# Altium PCB MSE-PCB-N1.PcbDoc (part 2 of 2)
Units mil, origin at the board's own origin, x right, y up, seen from the top; angles counter-clockwise.
Board outline 2086.61 x 3937.01 mil, 4 copper layers (Top Layer 1, Layer 2, Layer 3, Bottom Layer 4), stack 62.449 mil thick; 133 components, 118 nets, 385 pads, 141 vias.
Unrouted connection lines stored in the file: 63.
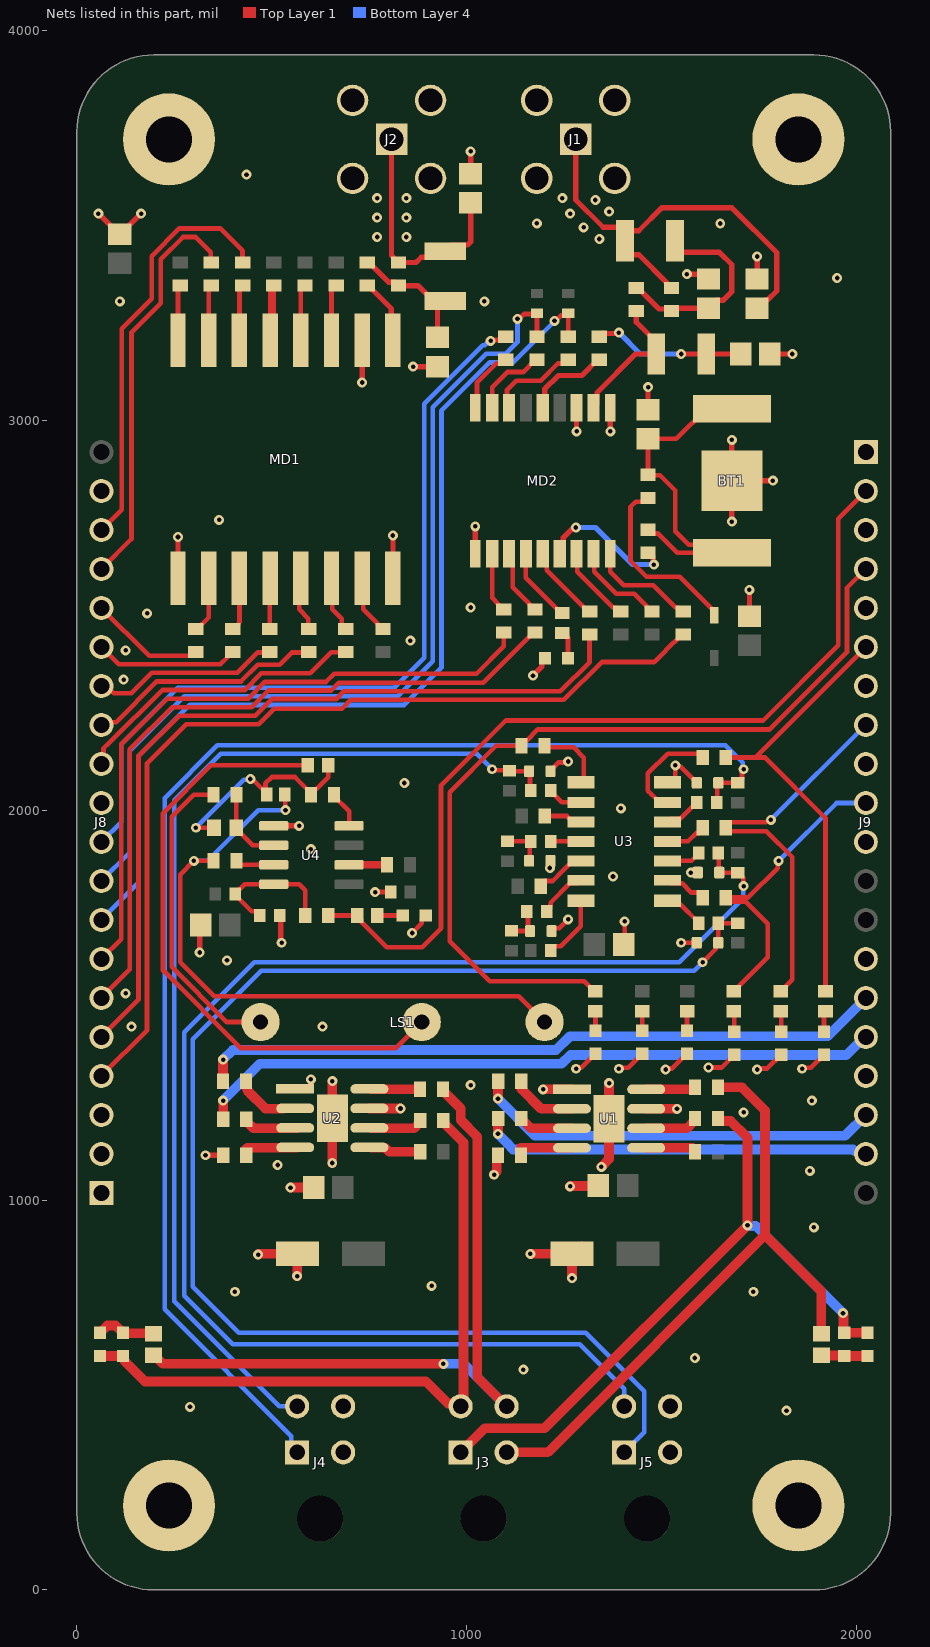
[diagram p4: the nets of this part, all layers, seen from the top]

## Via types
v1: diameter 25.59, hole 11.81, Top Layer 1 to Bottom Layer 4, 141 vias

## Nets (pads, with @x,y where several pads share a name; then routed paths per layer and width w, separated by ;. In a path a pad name is that pad's centre, name@x,y a point inside that pad or via, vN(x,y) a via of type N, cw(c..) or ccw(c..) an arc to the next point about the centre after c; other vN are vias at no path point) (continued)
GND_P: BT1.1 C17.1 C18.1 C19.1 C20.1 C21.1 C22.1 C23.1 C24.1 DS12.2 J1.2 J1.3 J1.4 J1.5 J2.2 J2.3 J2.4 J2.5 J8.01 J8.02 J8.03 J8.11 J8.19 MD1.1 MD1.8 MD1.10 MD2.1 MD2.10 MD2.12 pad.1@236.22,3720.47 pad.1@1850.39,3720.47 | length 1462
  Top Layer 1 w13.57: v1(55,3530) 55.43,3530 108.03,3477.4 111.97,3477.4 164.57,3530 v1(165,3530) ; MD1.1@259.41,2594.88 v1(259.41,2700.59) ; v1(731.85,3096.85) MD1.10@731.85,3205.12 ; MD1.8@810.59,2594.88 v1(810.59,2704.41) ; v1(862.4,3137.6) C19.1@925,3137.6 ; C20.1@1010,3632.4 v1(1010,3690) ; MD2.1@1021.77,2657.99 v1(1021.77,2728.23) ; v1(1170,2345) 1193.15,2368.15 1193.15,2382.68 DS12.2@1200.47,2390 ; v1(1281.61,2971.61) MD2.12@1281.61,3032.01 ; v1(1368.23,2971.77) MD2.10@1368.23,3032.01 ; C22.1@1465,3027.4 v1(1465,3085) ; v1(1564.37,3374.96) 1607.44,3374.96 C17.1@1620,3362.4 ; v1(1680,2740) BT1.1@1680,2845 ; v1(1680,2950) BT1.1@1680,2845 ; C23.1@1725,2497.4 v1(1725,2565) ; C18.1@1745,3362.4 v1(1745,3420) ; C21.1@1777.4,3170 v1(1835,3170) ; v1(1785,2845) BT1.1@1680,2845
  other v1: 140.12,1444.88 125,1530 120.12,2334.88 125.12,2409.88 855.12,2434.88 180.12,2504.88 1010.12,2519.88 365.12,2744.88 110.12,3304.88 1045.12,3304.88 1950,3365 1340,3465 770,3470 845,3470 1300,3495 1180,3505 1650.12,3504.88 770,3520 845,3520 1265,3530 1365,3535 1330,3565 770,3570 845,3570 1245,3570 435.12,3629.88
GND_S: C1.1 C2.1 C4.1 C5.1 C7.1 C8.1 C9.1 C10.1 C11.1 C12.1 C13.1 C14.1 C15.2 DS5.2 DS6.2 DS7.2 DS8.2 DS9.2 DS10.2 DS11.2 J4.2 J4.4 J5.2 J5.4 J9.01 J9.03 J9.05 J9.07 J9.09 J9.11 J9.14 J9.17 pad.1@236.22,216.54 pad.1@1850.39,216.54 R1.1 R5.1 R38.1 U1.1 U1.7 U1.9 U2.1 U2.7 U2.9 U3.7 U4.5 | length 2447.6
  Top Layer 1 w12: v1(860,1685) 884.78,1709.78 884.78,1720.25 DS11.2@894.53,1730 ; v1(1213.19,1851.81) 1214.1,1852.71 1214.1,1869.1 C11.1@1215,1870 ; C10.1@1215,2100 1215,2101.96 1235.44,2122.4 1257.4,2122.4 v1(1260,2125) ; C12.1@1217.56,1690 1217.56,1690.54 1224.56,1697.54 1237.54,1697.54 v1(1260,1720) ; v1(1280.41,1336.86) 1283.01,1339.46 1294,1339.46 DS8.2@1330,1375.47 ; v1(1390,1336.86) 1392.6,1339.46 1414,1339.46 DS9.2@1450,1375.47 ; C13.1@1402.4,1655 1405,1657.6 v1(1405,1715) ; v1(1510,1335) 1512.6,1337.6 1527.13,1337.6 DS10.2@1564.56,1375.03 ; U3.7@1515,2071.97 1525.25,2071.97 1535,2081.72 1535,2107.4 v1(1535,2115) ; v1@1537.4,2112.4 1547.6,2112.4 1581.04,2078.96 1583,2078.96 1590,2071.96 C9.1@1590,2070 ; v1(1550,1660) C7.1@1589.88,1660 ; v1(1574.51,1839.78) 1574.62,1839.89 1592.33,1839.89 C8.1@1592.44,1840 ; v1(1620,1340) 1653.35,1340 DS5.2@1686.3,1372.95 ; v1(1745,1335) 1747.6,1337.6 1770.95,1337.6 DS6.2@1806.3,1372.95 ; v1(1860,1336.86) 1862.6,1339.46 1882.82,1339.46 DS7.2@1916.3,1372.95
  Top Layer 1 w13.57: v1(315,1635) 315,1702.4 C14.1@317.6,1704.99 ; v1(330,1115) R5.1@375.47,1115 ; U4.5@505,1959.99 v1(569.99,1959.99) ; R38.1@520.59,1729.99 522.8,1727.79 522.8,1662.2 v1(525,1660) ; U2.1@560,1285 594.54,1285 600,1290.46 v1(600,1309.7) ; v1(764.99,1789.99) C15.2@805.39,1789.99
  Top Layer 1 w25: v1(465,860) 465.16,860 467.21,862.05 C4.1@565.35,862.05 565.35,805.51 565,805.16 v1(565,805) ; v1(547.95,1032.05) C5.1@607.6,1032.05 ; v1(655,1095) 655,1209.88 U2.9@655.12,1210 v1(655.12,1304.88) v1@655,1305 ; U2.7@750.24,1235 v1(830,1235) ; v1(1070,1065) 1070,1066.76 1076.75,1073.51 1076.75,1111.75 R1.1@1080,1115 ; v1(1162.95,862.05) C1.1@1270.35,862.05 ; v1(1195.91,1284.09) U1.1@1269.88,1284.09 ; v1(1265,1035) 1265.16,1035 1266.18,1036.02 1336.57,1036.02 C2.1@1337.6,1037.05 ; v1(1270,800) 1270,861.69 C1.1@1270.35,862.05 ; C1.1@1295,881.04 1276,862.05 C1.1@1270.35,862.05 ; v1(1345,1085) 1345,1085.16 1365,1105.16 v1(1365,1300) ; U1.7@1460.12,1234.09 v1(1539.09,1234.09)
  other v1: 1820,460 290.12,469.88 1145.12,564.88 1585.12,594.88 405.12,764.88 1735.12,764.88 910.12,779.88 1890.12,929.88 1880.12,1074.88 515.12,1089.88 1710.12,1224.88 1885.12,1254.88 1010.12,1294.88 630.12,1444.88 385.12,1614.88 1375.12,1829.88 600.12,1899.88 1395.12,2004.88 840.12,2069.88
M1_CLOSE: J9.08 R24.2 R30.1 | length 1031.2
  Top Layer 1 w12: R24.2@1664.53,1955 R24.2@1669.53,1960 ; v1(1780,1975) 1774.72,1975 1768.41,1968.69 1674.28,1968.69 1669.53,1963.94 R24.2@1669.53,1960 ; R30.1@1805,1535.59 1835,1565.59 1835,1879.9 1768.59,1946.3 1674.28,1946.3 1669.53,1951.05 1669.53,1955 R24.2@1669.53,1960
  Bottom Layer 4 w12: v1(1780,1975) 1780.06,1975 J9.08@2023.62,2218.5 J9.08@2023.62,2218.5
M1_OPEN: J9.10 R23.2 R29.1 | length 814.5
  Top Layer 1 w12: R29.1@1685,1535.59 1687.95,1535.59 1697.7,1545.34 1697.7,1548.29 1771.75,1622.34 1771.75,1708.25 1715,1765 1674.28,1765 1664.53,1774.75 R23.2@1664.53,1775 1665.73,1776.2 1721.93,1776.2 1797.4,1851.68 1797.4,1867.4 v1(1800,1870)
  Bottom Layer 4 w12: v1(1800,1870) 1948.5,2018.5 J9.10@2023.62,2018.5
M2_CLOSE: J9.04 R26.2 R32.1 | length 2212.8
  Top Layer 1 w12: R32.1@1330,1535.59 1327.05,1535.59 1301.64,1561 1059,1561 956,1664 956,2046 1075,2165 R26.2@1140.47,2165 1140.47,2168.94 1150.22,2178.69 1154.16,2178.69 1182.53,2207.06 1777.06,2207.06 1975.01,2405.01 1975.01,2569.89 J9.04@2023.62,2618.5
M2_OPEN: J9.06 R25.2 R31.1 | length 1165
  Top Layer 1 w12: R25.2@1664.53,2135 1740.12,2135 ; R31.1@1920,1535.59 1920,1980 1765,2135 1740.12,2135 ; J9.06@2023.62,2418.5 1740.12,2135
NetBT1_2: BT1.2 C22.2 R79.2 R80.1 | length 858.6
  Top Layer 1 w12: R79.2@1465,2719.53 1474.75,2709.78 1490.22,2709.78 1540,2660 BT1.2@1590,2660 ; BT1.2@1680,2660 BT1.2@1590,2660 ; BT1.2@1680,3030 1615,3030 1537.6,2952.6 C22.2@1465,2952.6 R80.1@1465,2860 1465.66,2859.34 1495.66,2859.34 1535,2820 1535,2715 1569.03,2680.97 1586,2680.97 1590,2676.97 BT1.2@1590,2660
NetC7_2: C7.2 J5.1 R11.1 R17.2 | length 3639.4
  Top Layer 1 w12: v1(1605,1610) 1638,1643 1638,1653 C7.2@1645,1660 ; C7.2@1645.3,1658.33 1645.3,1709.7 R17.2@1645.59,1710 1645.89,1710.3 1694.7,1710.3 R11.1@1695,1710.59
  Bottom Layer 4 w12: J5.1@1403.54,352.95 1455.03,404.44 1455.03,509.97 1305,660 415,660 297,778 297,1412 473,1588 1583,1588 v1(1605,1610)
NetC8_2: C8.2 J5.3 R12.1 R18.2 | length 3695.9
  Top Layer 1 w12: R18.2@1645.59,1890 1646.57,1889.02 1646.57,1840.98 C8.2@1647.56,1840 1647.85,1839.7 1696.67,1839.7 1709.06,1827.31 1709.06,1805.94 v1(1710,1805)
  Bottom Layer 4 w12: J5.3@1403.54,471.06 1403.54,516.46 1290,630 400,630 275,755 275,1430 455,1610 1545,1610 1709.2,1774.2 1709.2,1804.2 v1(1710,1805)
NetC9_2: C9.2 J4.1 R13.1 R19.2 | length 3538.1
  Top Layer 1 w12: R19.2@1640.59,2020 1642.85,2022.26 1642.85,2067.74 C9.2@1645.12,2070 1645.41,2070.3 1694.7,2070.3 R13.1@1695,2070.59 1699.69,2075.28 1701.65,2075.28 1705.73,2079.35 1705.73,2097.05 1710,2101.32 v1(1710,2105)
  Bottom Layer 4 w12: J4.1@564.96,352.95 550.17,367.74 550.17,394.83 225,720 225,2031.11 360.41,2166.52 1663.48,2166.52 1707.72,2122.28 1707.72,2107.28 v1(1710,2105)
NetC10_2: C10.2 J4.3 R14.1 R20.2 | length 2741.1
  Top Layer 1 w12: v1(1065,2105) 1067.2,2102.8 1107.8,2102.8 1110.3,2100.3 1159.59,2100.3 1162.15,2097.74 1162.15,2052.26 R20.2@1164.41,2050
  Bottom Layer 4 w12: J4.3@564.96,471.06 518.94,471.06 250,740 250,2025 369.52,2144.52 1025.48,2144.52 v1(1065,2105)
NetC11_2: C11.2 R15.1 R21.2 | length 110.7
  Top Layer 1 w12: R15.1@1105,1920.59 1105.3,1920.3 1163.52,1920.3 R21.2@1163.82,1920 1161.85,1918.03 1161.85,1871.97 C11.2@1159.88,1870
NetC12_2: C12.2 R16.1 R22.2 | length 97
  Top Layer 1 w12: R16.1@1115,1690.59 1115.3,1690.3 C12.2@1159.59,1690.3 ; R22.2@1154.41,1740 1157.15,1737.26 1157.15,1692.74 C12.2@1159.59,1690.3 ; C12.2@1159.88,1690 C12.2@1159.59,1690.3
NetC16_1: C16.1 R39.2 R41.1 R42.1 | length 560.6
  Top Layer 1 w12: v1(305.01,1954.99) R41.1@351.46,1954.99 ; v1(445,2080) 447.6,2077.4 451.93,2077.4 486.38,2042.95 C16.1@486.38,2040 ; C16.1@483.68,2042.3 483.68,2068.68 500,2085 559.4,2085 R39.2@600.47,2043.93 ; R39.2@600.47,2039.99 R39.2@600.47,2043.93 ; R42.1@645,2114.99 645,2084.52 614.16,2053.68 610.22,2053.68 R39.2@600.47,2043.93
  Bottom Layer 4 w12: v1(305.01,1954.99) 427.73,2077.72 442.72,2077.72 v1(445,2080)
NetC16_2: C16.2 LS1.1 R75.2 | length 1652.3
  Top Layer 1 w12: R75.2@350.47,1870 v1(300,1870) 265,1835 265,1610 352.52,1522.48 1133.62,1522.48 LS1.1@1199.41,1456.69 ; C16.2@533.62,2040 534.31,2039.31 534.31,2000.69 v1(535,2000)
  Bottom Layer 4 w12: v1(300,1870) 335,1870 465,2000 v1(535,2000)
NetC17_2: C17.2 L1.1 R49.2 R50.1 | length 538
  Top Layer 1 w13.57: R49.2@1435,3339.53 1438.94,3339.53 1492.96,3285.51 1519.96,3285.51 R50.1@1525,3280.47 1532.13,3287.6 C17.2@1620,3287.6 1640.57,3308.17 1658.17,3308.17 1680,3330 1680,3398.86 1648.01,3430.85 1549.83,3430.85 1533.98,3446.7 L1.1@1533.98,3460
NetC18_2: C18.2 J1.1 L1.2 R50.2 | length 1160.1
  Top Layer 1 w13.57: J1.1@1279.53,3720.47 1279.53,3565.47 1349.95,3495.05 1390.17,3495.05 1406.02,3479.2 1406.02,3440.8 1421.87,3424.95 1441.07,3424.95 1512.1,3353.92 1512.1,3348.49 1521.06,3339.53 R50.2@1525,3339.53 ; L1.2@1406.02,3464.15 1406.02,3470.34 1421.87,3486.19 1441.07,3486.19 1499.88,3545 1680,3545 1795,3430 1795,3331.57 1771.8,3308.37 1765.77,3308.37 C18.2@1745,3287.6
NetC19_2: C19.2 L2.1 R76.2 R77.1 | length 341
  Top Layer 1 w13.57: R76.2@745,3404.53 748.94,3404.53 799.03,3354.43 816.04,3354.43 R77.1@825,3345.47 875.04,3345.47 914.49,3306.02 L2.1@940.85,3306.02 ; C19.2@925,3212.4 925,3290.17 L2.1@940.85,3306.02 ; L2.1@945,3306.02 L2.1@940.85,3306.02
NetC20_2: C20.2 J2.1 L2.2 R77.2 | length 632.5
  Top Layer 1 w13.57: J2.1@807.09,3720.47 807.09,3422.44 812.1,3417.43 812.1,3413.49 821.06,3404.53 869.53,3404.53 883.27,3418.27 929.29,3418.27 960.85,3449.83 1002.05,3449.83 1010,3457.78 C20.2@1010,3557.6
NetC21_2: C21.2 L3.1 R78.2 | length 390.4
  Top Layer 1 w13.57: R78.2@1340,3214.53 1348.96,3223.49 1349.75,3222.7 1387.7,3222.7 v1(1390,3225) ; v1(1550,3170) L3.1@1613.98,3170 C21.2@1702.6,3170
  Bottom Layer 4 w13.57: v1(1390,3225) 1445,3170 v1(1550,3170)
NetD1_2: D1.2 R80.2 | length 471.2
  Top Layer 1 w12: R80.2@1465,2800.94 1455.25,2791.2 1433.23,2791.2 1420,2777.97 1420,2640 1461,2599 1545.96,2599 1635,2509.96 D1.2@1635,2500.12
NetDS1_2: DS1.2 DS2.1 R9.2 | length 118.9
  Top Layer 1 w25: R9.2@1909.45,602.36 1910.43,601.38 1967.52,601.38 DS1.2@1968.51,600.39 DS2.1@2027.56,600.4
NetDS3_2: DS3.2 DS4.1 R10.2 | length 154.5
  Top Layer 1 w25: DS3.2@59.05,659.45 78.22,678.62 98.93,678.62 119.1,658.46 195.87,658.46 R10.2@196.85,657.48
NetDS5_1: DS5.1 R29.2 | length 47.4
  Top Layer 1 w12: DS5.1@1686.3,1441.54 R29.2@1686.3,1488.94
NetDS6_1: DS6.1 R30.2 | length 57
  Top Layer 1 w12: R30.2@1801.3,1491.74 1801.3,1484.41 1806.3,1479.41 DS6.1@1806.3,1436.85
NetDS7_1: DS7.1 R31.2 | length 53.9
  Top Layer 1 w12: DS7.1@1916.3,1432 1916.3,1480.71 R31.2@1920,1484.41
NetDS8_1: DS8.1 R32.2 | length 47.9
  Top Layer 1 w12: DS8.1@1330,1436.49 R32.2@1330,1484.41
NetDS9_1: DS9.1 R33.2 | length 49.9
  Top Layer 1 w12: DS9.1@1450,1434.52 R33.2@1450,1484.41
NetDS10_1: DS10.1 R34.2 | length 49.9
  Top Layer 1 w12: DS10.1@1565,1434.52 R34.2@1565,1484.41
NetDS11_1: DS11.1 R35.2 | length 65.5
  Top Layer 1 w12: R35.2@770.01,1729.99 R35.2@770.59,1729.99 DS11.1@835.48,1730
NetDS12_1: DS12.1 R81.2 | length 72.2
  Top Layer 1 w12: R81.2@1245,2454.41 1247.95,2454.41 1259.52,2442.84 DS12.1@1259.52,2390
NetJ8_04: J8.04 R67.1 | length 2362.2
  Top Layer 1 w12: J8.04@62.99,1318.5 180,1435.51 180,2120 280.2,2220.2 466.56,2220.2 506.37,2260 680,2260 703,2283 1249.11,2283 1346.11,2380 1481.13,2380 1510.35,2409.22 1510.35,2409.76 1551.06,2450.47 R67.1@1555,2450.47
NetJ8_05: J8.05 R73.2 | length 2086.6
  Top Layer 1 w12: J8.05@62.99,1418.5 158,1513.51 158,2138 262.2,2242.2 457.45,2242.2 500.25,2285 665,2285 685,2305 1240,2305 1315,2380 R73.2@1315,2450.47
NetJ8_06: J8.06 R71.2 | length 1830.8
  Top Layer 1 w12: J8.06@62.99,1518.5 136,1591.51 136,2156 244.2,2264.2 448.34,2264.2 491.14,2307 652,2307 672,2327 1042.59,2327 1171.06,2455.47 R71.2@1175,2455.47
NetJ8_07: J8.07 R72.2 | length 1692.1
  Top Layer 1 w12: J8.07@62.99,1618.5 114,1669.51 114,2169 231.2,2286.2 439.22,2286.2 482.03,2329 639,2329 660,2350 1025,2350 1095,2420 R72.2@1095,2455.47
NetJ8_10: J8.10 R66.1 | length 2072.5
  Top Layer 1 w12: v1(1061.44,3203.56) 1064.04,3206.16 1091.63,3206.16 R66.1@1100,3214.53
  Bottom Layer 4 w12: J8.10@62.99,1918.5 114,1969.51 114,2169 259,2314 814,2314 891,2391 891,3042.73 1040.69,3192.42 1046.62,3192.42 1057.76,3203.56 v1(1061.44,3203.56)
NetJ8_12: J8.12 R44.1 | length 766.5
  Top Layer 1 w12: J8.12@62.99,2118.5 68.19,2123.7 68.19,2158.19 81.8,2171.8 82.34,2171.8 218.74,2308.2 430.11,2308.2 472.91,2351 598.59,2351 636.81,2389.23 636.81,2389.97 652.31,2405.47 R44.1@690,2405.47
NetJ8_13: J8.13 R48.1 | length 609.5
  Top Layer 1 w12: J8.13@62.99,2218.5 70.18,2225.69 100.69,2225.69 205.2,2330.2 421,2330.2 463.8,2373 520.12,2373 551.46,2404.34 593.87,2404.34 R48.1@595,2405.47
NetJ8_14: J8.14 R45.1 | length 483.6
  Top Layer 1 w12: J8.14@62.99,2318.5 76.23,2318.5 94.73,2300 140,2300 192.2,2352.2 411.89,2352.2 464.34,2404.65 493.71,2404.65 R45.1@495,2405.94
NetJ8_15: J8.15 R46.1 | length 370.8
  Top Layer 1 w12: J8.15@62.99,2418.5 107.3,2374.2 368.25,2374.2 386.31,2392.26 386.31,2396.2 396.06,2405.94 R46.1@400,2405.94
NetJ8_16: J8.16 R47.1 | length 296.7
  Top Layer 1 w12: J8.16@62.99,2518.5 185.3,2396.2 295.25,2396.2 R47.1@305,2405.94
NetJ8_17: J8.17 R52.2 | length 1053
  Top Layer 1 w12: J8.17@62.99,2618.5 140,2695.51 140,3225 215,3300 215,3412.77 272.23,3470 305,3470 343.75,3431.25 343.75,3405.77 R52.2@345,3404.53
NetJ8_18: J8.18 R51.2 | length 1072.4
  Top Layer 1 w12: J8.18@62.99,2718.5 115,2770.51 115,3235 192,3312 192,3420.89 263.11,3492 368,3492 425,3435 R51.2@425,3404.53
NetJ9_02: J9.02 R35.1 R36.1 | length 2306.5
  Top Layer 1 w12: R36.1@644.53,1729.99 R35.1@719.41,1729.99 729.16,1720.25 729.16,1714.35 795.26,1648.25 885.37,1648.25 934,1696.89 934,2064 1100,2230 1760,2230 1953.01,2423.01 1953.01,2747.89 J9.02@2023.62,2818.5
NetJ9_15: J9.15 R8.1 | length 1769.3
  Top Layer 1 w25: R8.1@375,1305 v1(375,1360)
  Bottom Layer 4 w25: v1(375,1360) 399.98,1384.98 1229.11,1384.98 1264.13,1420 1925.12,1420 J9.15@2023.62,1518.5
NetJ9_16: J9.16 R7.1 | length 1764.5
  Top Layer 1 w25: v1(375,1255) 375.24,1254.76 375.24,1207.28 R7.1@375.47,1207.05
  Bottom Layer 4 w25: v1(375,1255) 469.98,1349.98 1243.61,1349.98 1265.79,1372.16 1973.5,1372.16 2019.85,1418.5 J9.16@2023.62,1418.5
NetJ9_18: J9.18 R4.1 | length 1050.3
  Top Layer 1 w25: v1(1080,1260) 1080,1260.16 1080.24,1260.4 1080.24,1297.81 1080.47,1298.05 R4.1@1080.47,1305
  Bottom Layer 4 w25: v1(1080,1260) 1175,1165 1970.12,1165 J9.18@2023.62,1218.5
NetJ9_19: J9.19 R3.1 | length 1004.9
  Top Layer 1 w25: v1(1080,1170) 1080.11,1170.11 1080.11,1208.74 R3.1@1080.47,1209.09
  Bottom Layer 4 w25: v1(1080,1170) 1080,1169.84 1104.23,1145.61 1104.23,1144.64 1118.87,1130 1990.77,1130 1995.3,1125.47 2016.65,1125.47 J9.19@2023.62,1118.5
NetLS1_2: LS1.2 R42.2 | length 1598.4
  Top Layer 1 w12: R42.2@591.85,2114.99 343.88,2114.99 221,1992.11 221,1589 420,1390 817.76,1390 LS1.2@884.45,1456.69
NetLS1_3: LS1.3 R74.1 | length 802.1
  Top Layer 1 w12: R74.1@350,2039.99 299.99,2039.99 243,1983 243,1598.11 384.42,1456.69 LS1.3@471.06,1456.69
NetMD1_2: MD1.2 R47.2 | length 145.9
  Top Layer 1 w12: R47.2@305,2465 308.94,2465 338.15,2494.21 MD1.2@338.15,2594.88
NetMD1_3: MD1.3 R46.2 | length 139.2
  Top Layer 1 w12: R46.2@400,2465 403.94,2465 413.69,2474.75 413.69,2478.57 416.89,2481.78 MD1.3@416.89,2594.88
NetMD1_4: MD1.4 R45.2 | length 130.1
  Top Layer 1 w12: R45.2@495,2465 495,2594.25 MD1.4@495.63,2594.88
NetMD1_5: MD1.5 R48.2 | length 142.5
  Top Layer 1 w12: MD1.5@574.37,2594.88 569.99,2590.5 569.99,2515.01 593.75,2491.25 593.75,2465.77 R48.2@595,2464.53
NetMD1_6: MD1.6 R44.2 | length 146.2
  Top Layer 1 w12: MD1.6@653.11,2594.88 654.99,2593.01 654.99,2515.01 679.29,2490.71 679.29,2474.28 689.04,2464.53 R44.2@690,2464.53
NetMD1_7: MD1.7 R56.1 | length 154.7
  Top Layer 1 w12: MD1.7@731.85,2594.88 734.51,2592.22 734.51,2515.01 771.31,2478.21 771.31,2474.28 781.06,2464.53 R56.1@785,2464.53
NetMD1_11: MD1.11 R54.1 | length 146.5
  Top Layer 1 w12: MD1.11@653.11,3205.12 653.11,3335.72 662.86,3345.47 R54.1@665,3345.47
NetMD1_12: MD1.12 R55.1 | length 145.3
  Top Layer 1 w12: MD1.12@574.37,3205.12 574.37,3335.72 584.12,3345.47 R55.1@585,3345.47
NetMD1_13: MD1.13 R43.2 | length 150.9
  Top Layer 1 w12: R43.2@495.63,3336.1 500.31,3340.79 R43.2@505,3345.47
  Top Layer 1 w20: MD1.13@495.63,3205.12 500.31,3209.8 R43.2@500.31,3340.79
NetMD1_14: MD1.14 R51.1 | length 143.7
  Top Layer 1 w12: MD1.14@416.89,3205.12 416.89,3337.36 R51.1@425,3345.47
NetMD1_15: MD1.15 R52.1 | length 143.2
  Top Layer 1 w12: MD1.15@338.15,3205.12 338.15,3338.62 R52.1@345,3345.47
NetMD1_16: MD1.16 R53.1 | length 142.7
  Top Layer 1 w12: MD1.16@259.41,3205.12 259.41,3339.88 R53.1@265,3345.47
NetMD2_2: MD2.2 R72.1 | length 158.2
  Top Layer 1 w12: MD2.2@1065.08,2657.99 1065.08,2544.45 1081.31,2528.21 1081.31,2524.28 1091.06,2514.53 R72.1@1095,2514.53
NetMD2_3: MD2.3 R71.1 | length 173.4
  Top Layer 1 w12: MD2.3@1108.39,2657.99 1118.13,2648.24 1118.13,2571.39 1161.31,2528.21 1161.31,2524.28 1171.06,2514.53 R71.1@1175,2514.53
NetMD2_5: MD2.5 R73.1 | length 200.5
  Top Layer 1 w12: MD2.5@1195,2657.99 1204.75,2648.24 1204.75,2615.84 1311.06,2509.53 R73.1@1315,2509.53
NetMD2_7: MD2.7 R65.2 | length 200.9
  Top Layer 1 w12: MD2.7@1281.61,2657.99 1283.6,2656.01 1283.6,2611.59 1375.91,2519.28 1385.25,2519.28 R65.2@1395,2509.53
NetMD2_8: MD2.8 R57.2 | length 240
  Top Layer 1 w12: MD2.8@1324.92,2657.99 1326.77,2656.15 1326.77,2611.59 1383.35,2555 1429.53,2555 1461.31,2523.21 1461.31,2519.28 1471.06,2509.53 R57.2@1475,2509.53
NetMD2_9: MD2.9 R67.2 | length 275.3
  Top Layer 1 w12: MD2.9@1368.23,2657.99 1368.41,2657.81 1368.41,2611.59 1403,2577 1478,2577 1535.72,2519.28 1545.25,2519.28 R67.2@1555,2509.53
NetMD2_16: MD2.16 R70.1 | length 237
  Top Layer 1 w12: MD2.16@1108.39,3032.01 1103.41,3036.98 1103.41,3078.41 1126.71,3101.71 1189.48,3101.71 1233.5,3145.72 1250.25,3145.72 R70.1@1260,3155.47
NetMD2_17: MD2.17 R69.1 | length 197.2
  Top Layer 1 w12: MD2.17@1065.08,3032.01 1065.08,3085.08 1103.72,3123.72 1144.32,3123.72 1176.06,3155.47 R69.1@1180,3155.47
NetMD2_18: MD2.18 R66.2 | length 164.4
  Top Layer 1 w12: MD2.18@1021.77,3032.01 1026.03,3036.27 1026.03,3096.03 1075.72,3145.72 1090.25,3145.72 R66.2@1100,3155.47
NetR1_2: R1.2 U1.4 | length 130.5
  Top Layer 1 w25: R1.2@1139.38,1134.09 U1.4@1269.88,1134.09
NetR2_2: R2.2 U1.5 | length 131.8
  Top Layer 1 w25: U1.5@1460.12,1134.09 1579.41,1134.09 1585.47,1128.03 R2.2@1585.47,1124.09
NetR3_2: R3.2 U1.3 | length 143
  Top Layer 1 w25: R3.2@1139.53,1209.09 1139.53,1205.16 1142.78,1201.91 1146.71,1201.91 1164.53,1184.09 U1.3@1269.88,1184.09
NetR4_2: R4.2 U1.2 | length 155
  Top Layer 1 w25: R4.2@1140,1289.09 1140,1285.16 1191.06,1234.09 U1.2@1269.88,1234.09
NetR5_2: R5.2 U2.4 | length 136
  Top Layer 1 w25: R5.2@434.06,1127.05 434.06,1130.85 437.3,1134.09 U2.4@564.88,1134.09
NetR6_2: R6.2 U2.5 | length 129.5
  Top Layer 1 w25: U2.5@755.12,1134.09 791.07,1134.09 801.07,1124.09 R6.2@880.47,1124.09
NetR7_2: R7.2 U2.3 | length 142.7
  Top Layer 1 w25: R7.2@434.53,1207.05 437.78,1203.8 437.78,1198.99 452.42,1184.35 564.63,1184.35 U2.3@564.88,1184.09
NetR8_2: R8.2 U2.2 | length 117.8
  Top Layer 1 w25: R8.2@435,1287.05 438.25,1283.8 438.25,1279.86 483.76,1234.35 U2.2@528.68,1234.35
NetR17_1: R17.1 U3.1 | length 104.6
  Top Layer 1 w12: U3.1@1515,1768.03 1524.75,1758.28 1548.09,1758.28 1594.41,1711.97 R17.1@1594.41,1710
NetR18_1: R18.1 U3.3 | length 88.8
  Top Layer 1 w12: U3.3@1515,1870 1576.38,1870 1594.41,1888.03 R18.1@1594.41,1890
NetR19_1: R19.1 U3.5 | length 96.3
  Top Layer 1 w12: U3.5@1515,1970 1522.78,1977.78 1547.19,1977.78 1578.68,2009.27 1580.65,2009.27 1589.41,2018.03 R19.1@1589.41,2020
NetR20_1: R20.1 U3.9 | length 90.5
  Top Layer 1 w12: R20.1@1215.59,2050 1215.59,2048.03 1243.62,2020 U3.9@1292.56,2020
NetR21_1: R21.1 U3.11 | length 62.6
  Top Layer 1 w12: 1230,1920 U3.11@1292.56,1920
NetR22_1: R22.1 U3.13 | length 128.2
  Top Layer 1 w12: R22.1@1205.59,1740 1214.35,1748.76 1214.35,1757.12 1215,1757.76 1215,1763.3 1263.92,1812.22 1284.78,1812.22 U3.13@1292.56,1820
NetR23_1: R23.1 U3.2 | length 111.2
  Top Layer 1 w12: U3.2@1515.22,1820 1523,1812.22 1552.78,1812.22 1576.32,1788.69 1595.72,1788.69 1605.47,1778.94 R23.1@1605.47,1775
NetR24_1: R24.1 U3.4 | length 107.3
  Top Layer 1 w12: U3.4@1515,1920 1567.45,1920 1588.76,1941.31 1595.72,1941.31 1605.47,1951.06 R24.1@1605.47,1955
NetR25_1: R25.1 U3.6 | length 273.7
  Top Layer 1 w12: U3.6@1515,2020 1494.33,2020 1474.11,2040.22 1473.92,2040.22 1464.55,2049.59 1464.55,2094.34 1515.21,2145 1595.72,2145 1605.47,2135.25 R25.1@1605.47,2135
NetR26_1: R26.1 U3.8 | length 178.9
  Top Layer 1 w12: R26.1@1199.53,2165 1203.37,2161.16 1273.84,2161.16 1300,2135 1300,2079.19 U3.8@1292.78,2071.97
NetR27_1: R27.1 U3.10 | length 98.8
  Top Layer 1 w12: R27.1@1200,1985 1256.89,1985 1271.89,1970 U3.10@1292.56,1970
NetR28_1: R28.1 U3.12 | length 132.1
  Top Layer 1 w12: R28.1@1189.53,1805 1189.53,1808.66 1199.28,1818.41 1220.52,1818.41 1245,1842.89 1272.11,1870 U3.12@1292.56,1870
NetR36_2: R36.2 R37.1 R38.2 U4.8 | length 351.2
  Top Layer 1 w12: R38.2@469.41,1729.99 469.41,1731.96 460.65,1740.73 447.89,1740.73 405.59,1783.03 R37.1@405.59,1784.99 405.59,1786.96 414.35,1795.73 416.32,1795.73 430.59,1809.99 U4.8@505,1809.99 570.01,1809.99 585.47,1794.53 R36.2@585.47,1729.99
NetR39_1: R39.1 U4.4 | length 96.1
  Top Layer 1 w12: R39.1@659.53,2039.99 659.53,2036.06 698.31,1997.28 U4.4@698.31,1959.99
NetR40_1: R40.1 U4.2 | length 97.2
  Top Layer 1 w20: U4.2@698.31,1859.99 R40.1@795.47,1859.99
NetR41_2: R41.2 R74.2 U4.6 | length 202
  Top Layer 1 w12: R74.2@409.06,2039.99 408.8,2039.74 408.8,1955.25 R41.2@408.54,1954.99 408.54,1952.04 450.59,1909.99 U4.6@505,1909.99
NetR58_1: R58.1 U1.6 | length 138
  Top Layer 1 w12: R58.1@1585.47,1205.16 R58.1@1585.47,1209.09
  Top Layer 1 w25: U1.6@1460.12,1184.09 1564.41,1184.09 R58.1@1585.47,1205.16
NetR59_1: R59.1 U1.8 | length 127.4
  Top Layer 1 w12: R59.1@1580.47,1284.09 R59.1@1585.47,1289.09
  Top Layer 1 w25: U1.8@1460.12,1284.09 R59.1@1580.47,1284.09
NetR60_1: R60.1 U2.6 | length 135.9
  Top Layer 1 w25: U2.6@755.12,1184.09 864.41,1184.09 880.47,1200.16 R60.1@880.47,1204.09
NetR61_1: R61.1 U2.8 | length 124.9
  Top Layer 1 w25: U2.8@755.12,1284.09 R61.1@880,1284.09
NetR62_1: R62.1 U3.14 | length 170.1
  Top Layer 1 w12: R62.1@1215,1640 1215,1641.97 1223.76,1650.73 1240.73,1650.73 1292.56,1702.56 U3.14@1292.56,1768.03
NetR75_1: R75.1 U4.7 | length 99.8
  Top Layer 1 w12: R75.1@409.53,1870 409.53,1869.75 419.28,1860 U4.7@505,1859.99
OUTA_M1: DS1.1 DS2.2 J3.1 R58.2 | length 1748.5
  Top Layer 1 w25: J3.1@984.25,352.95 1046.3,415 1200,415 v1(1720,935) 1720,1160 1676.95,1203.05 1647.78,1203.05 1644.53,1206.3 R58.2@1644.53,1209.09 ; v1(1965,710) 1966.24,708.76 1966.24,661.71 DS1.1@1968.51,659.45 DS2.2@2027.55,659.45
  Bottom Layer 4 w25: v1(1720,935) 1721.24,933.76 1741.24,933.76 v1(1965,710)
OUTA_M2: DS3.1 DS4.2 J3.3 R60.2 | length 1746.1
  Top Layer 1 w25: DS3.1@62.3,597.15 DS3.1@59.05,600.4 DS4.2@118.11,600.39 121.36,597.14 121.36,588.64 175,535 895,535 951.89,478.11 977.21,478.11 J3.3@984.25,471.06 984.25,481.02 991.75,488.52 991.75,1147.93 942.78,1196.91 942.78,1200.85 R60.2@939.53,1204.09
OUTB_M1: J3.2 R9.1 R59.2 | length 1670.7
  Top Layer 1 w25: J3.2@1102.36,352.95 1207.95,352.95 1765,910 ; R59.2@1644.53,1289.09 1705.91,1289.09 1765,1230 1765,910 ; R9.1@1909.45,657.48 1909.45,765.55 1765,910
OUTB_M2: J3.4 R10.1 R61.2 | length 1839.1
  Top Layer 1 w25: R10.1@196.85,602.36 198.82,602.36 206,595.18 206,594.64 220.65,580 v1@938.24,580 ; R61.2@939.06,1284.09 942.3,1280.85 942.3,1276.91 984.53,1234.68 984.53,1204.97 1026.75,1162.74 1026.75,546.67 J3.4@1102.36,471.06
  Bottom Layer 4 w25: v1(940,580) 993.43,580 J3.4@1102.36,471.06
PPS: MD2.4 R81.1 | length 192.8
  Top Layer 1 w12: MD2.4@1151.69,2657.99 1151.69,2595.95 1242.05,2505.59 R81.1@1245,2505.59
RF_IN: L3.2 MD2.11 R49.1 | length 367.2
  Top Layer 1 w13.57: MD2.11@1324.92,3032.01 1333.88,3040.97 1333.88,3070.62 1433.27,3170 L3.2@1486.02,3170 1486.02,3200.51 1435,3251.54 R49.1@1435,3280.47
RF_OUT: MD1.9 R76.1 | length 169.8
  Top Layer 1 w13.57: R76.1@745,3345.47 748.94,3345.47 757.9,3336.51 757.9,3334.9 806.37,3286.43 806.37,3209.34 MD1.9@810.59,3205.12
SCL: J8.09 R69.2 R96.1 | length 2349.9
  Top Layer 1 w12: v1(1130,3260) 1133.68,3260 1146.25,3272.57 1178.16,3272.57 R96.1@1180,3274.41 1180,3268.6 R69.2@1180,3214.53
  Bottom Layer 4 w12: J8.09@62.99,1818.5 136,1891.51 136,2152.8 275.2,2292 823.11,2292 913,2381.89 913,3033.62 1049.8,3170.42 1100.42,3170.42 1130,3200 v1(1130,3260)
SDA: J8.08 R70.2 R97.1 | length 2478.2
  Top Layer 1 w12: v1(1225,3255) 1227.29,3255 1240.89,3268.6 1254.19,3268.6 R97.1@1260,3274.41 1260,3268.6 R70.2@1260,3214.53
  Bottom Layer 4 w12: J8.08@62.99,1718.5 158,1813.51 158,2138 290,2270 840,2270 935,2365 935,3024.51 1058.91,3148.42 1119.09,3148.42 1225,3254.33 v1(1225,3255)
V_BCKP: MD2.6 R79.1 | length 366.2
  Top Layer 1 w13.57: MD2.6@1238.31,2657.99 1247.27,2666.95 1247.27,2698.57 1271.4,2722.7 1277.7,2722.7 v1(1280,2725) ; R79.1@1465,2660.47 1468.74,2660.47 1477.7,2651.51 1477.7,2632.3 v1(1480,2630)
  Bottom Layer 4 w13.57: v1(1280,2725) 1330,2725 1425,2630 v1(1480,2630)
VCC_RF: MD2.14 R78.1 | length 221.3
  Top Layer 1 w13.57: MD2.14@1195,3032.01 1199.85,3036.86 1199.85,3079.85 1235,3115 1295.59,3115 1336.06,3155.47 R78.1@1340,3155.47
pads on no net: J3. J4. J5. MD2.13 MD2.15 R53.2 R54.2 R55.2 R56.2 U4.1 U4.3

## Polygon pours and split planes (outlines as drawn)
GND_S on Top Layer 1 "GND_S_L01_P008" (solid, pour order 8): 0,935 210,935 210,2085 305,2180 490,2180 535,2225 865,2225 895,2255 1295,2255 1375,2335 1825,2335 1825,3025 2090,3025 2090,200.24 cw(c1895.95,200.23) 1895.94,6.17 191.18,6.17 cw(c191.17,197.1) 0.25,197.1 0,235
GND_P on Top Layer 1 "GND_P_L01_P001" (solid, pour order 1): 0,950 0,3740 cw(c195,3740) 195,3935 1890.01,3935 cw(c1891.28,3741.28) 2085,3742.27 2085,3050 cw(c2075,3050) 2075,3040 1815,3040 ccw(c1815,3035) 1810,3035 1810,2350 1360,2350 1280,2270 875,2270 850,2245 520,2245 475,2200 295,2200 195,2100 195,950
GND_S on Layer 2 "GND_S_L02_P010" (solid, pour order 10): 2.09,933.64 212.09,933.64 212.09,2083.64 307.09,2178.64 492.09,2178.64 537.09,2223.64 867.09,2223.64 897.09,2253.64 1297.09,2253.64 1377.09,2333.64 1827.09,2333.64 1827.09,3023.64 2092.09,3023.64 2092.09,198.88 cw(c1898.04,198.87) 1898.03,4.82 193.26,4.82 cw(c193.26,195.74) 2.34,195.74 2.09,233.64
GND_P on Layer 2 "GND_P_L02_P002" (solid, pour order 2): 0,950 0,3740 cw(c195,3740) 195,3935 1890.01,3935 cw(c1891.28,3741.28) 2085,3742.27 2085,3050 cw(c2075,3050) 2075,3040 1815,3040 ccw(c1815,3035) 1810,3035 1810,2350 1360,2350 1280,2270 875,2270 850,2245 520,2245 475,2200 295,2200 195,2100 195,950
GND_S on Layer 3 "GND_S_L03_P011" (solid, pour order 11): 0,935 210,935 210,2085 305,2180 490,2180 535,2225 865,2225 895,2255 1295,2255 1375,2335 1825,2335 1825,3025 2090,3025 2090,200.24 cw(c1895.95,200.23) 1895.94,6.17 191.18,6.17 cw(c191.17,197.1) 0.25,197.1 0,235
GND_P on Layer 3 "GND_P_L03_P003" (solid, pour order 3): 0,950 0,3740 cw(c195,3740) 195,3935 1890.01,3935 cw(c1891.28,3741.28) 2085,3742.27 2085,3050 cw(c2075,3050) 2075,3040 1815,3040 ccw(c1815,3035) 1810,3035 1810,2350 1360,2350 1280,2270 875,2270 850,2245 520,2245 475,2200 295,2200 195,2100 195,950
GND_S on Bottom Layer 4 "GND_S_L04_P012" (solid, pour order 12): 0,935 210,935 210,2085 305,2180 490,2180 535,2225 865,2225 895,2255 1295,2255 1375,2335 1825,2335 1825,3025 2090,3025 2090,200.24 cw(c1895.95,200.23) 1895.94,6.17 191.18,6.17 cw(c191.17,197.1) 0.25,197.1 0,235
GND_P on Bottom Layer 4 "GND_P_L04_P004" (solid, pour order 4): 0,950 0,3740 cw(c195,3740) 195,3935 1890.01,3935 cw(c1891.28,3741.28) 2085,3742.27 2085,3050 cw(c2075,3050) 2075,3040 1815,3040 ccw(c1815,3035) 1810,3035 1810,2350 1360,2350 1280,2270 875,2270 850,2245 520,2245 475,2200 295,2200 195,2100 195,950

## Silkscreen, mask and mechanical layers (free items; w line width, h text height)
Top Overlay:
  text "P.MIAILHE - MSE V1" at 640,40 h50
Bottom Overlay:
  drawing of 14 lines, arcs and shapes, not listed
Mechanical 1:
  lines w0.5: 0.25,197.1 ccw(c197.1,197.1) 197.1,0.25 1890.01,0.25 ccw(c1890.01,197.1) 2086.86,197.1 2086.86,3740.41 ccw(c1890.01,3740.41) 1890.01,3937.26 197.1,3937.26 ccw(c197.1,3740.41) 0.25,3740.41 0.25,197.1
  lines w47.24: 0.25,197.1 ccw(c197.1,197.1) 197.1,0.25 1890.01,0.25 ccw(c1890.01,197.1) 2086.86,197.1 2086.86,3740.41 ccw(c1890.01,3740.41) 1890.01,3937.26 197.1,3937.26 ccw(c197.1,3740.41) 0.25,3740.41 0.25,197.1

## Text inside footprints (layer, text, board x,y; h text height)
LS1: Bottom Overlay "G" at 399.45,1426.69 h50; Bottom Overlay "F" at 814.45,1436.69 h50; Bottom Overlay "M" at 1119.45,1426.69 h50